# Altium PCB Salico Controller Module.PcbDoc (part 2 of 2)
Units mm, origin at the board's own origin, x right, y up, seen from the top; angles counter-clockwise.
Board outline 100 x 50 mm, 4 copper layers (L1, L2, L3, L4), stack 1.11 mm thick; 125 components, 95 nets, 398 pads, 661 vias.
Unrouted connection lines stored in the file: 176.
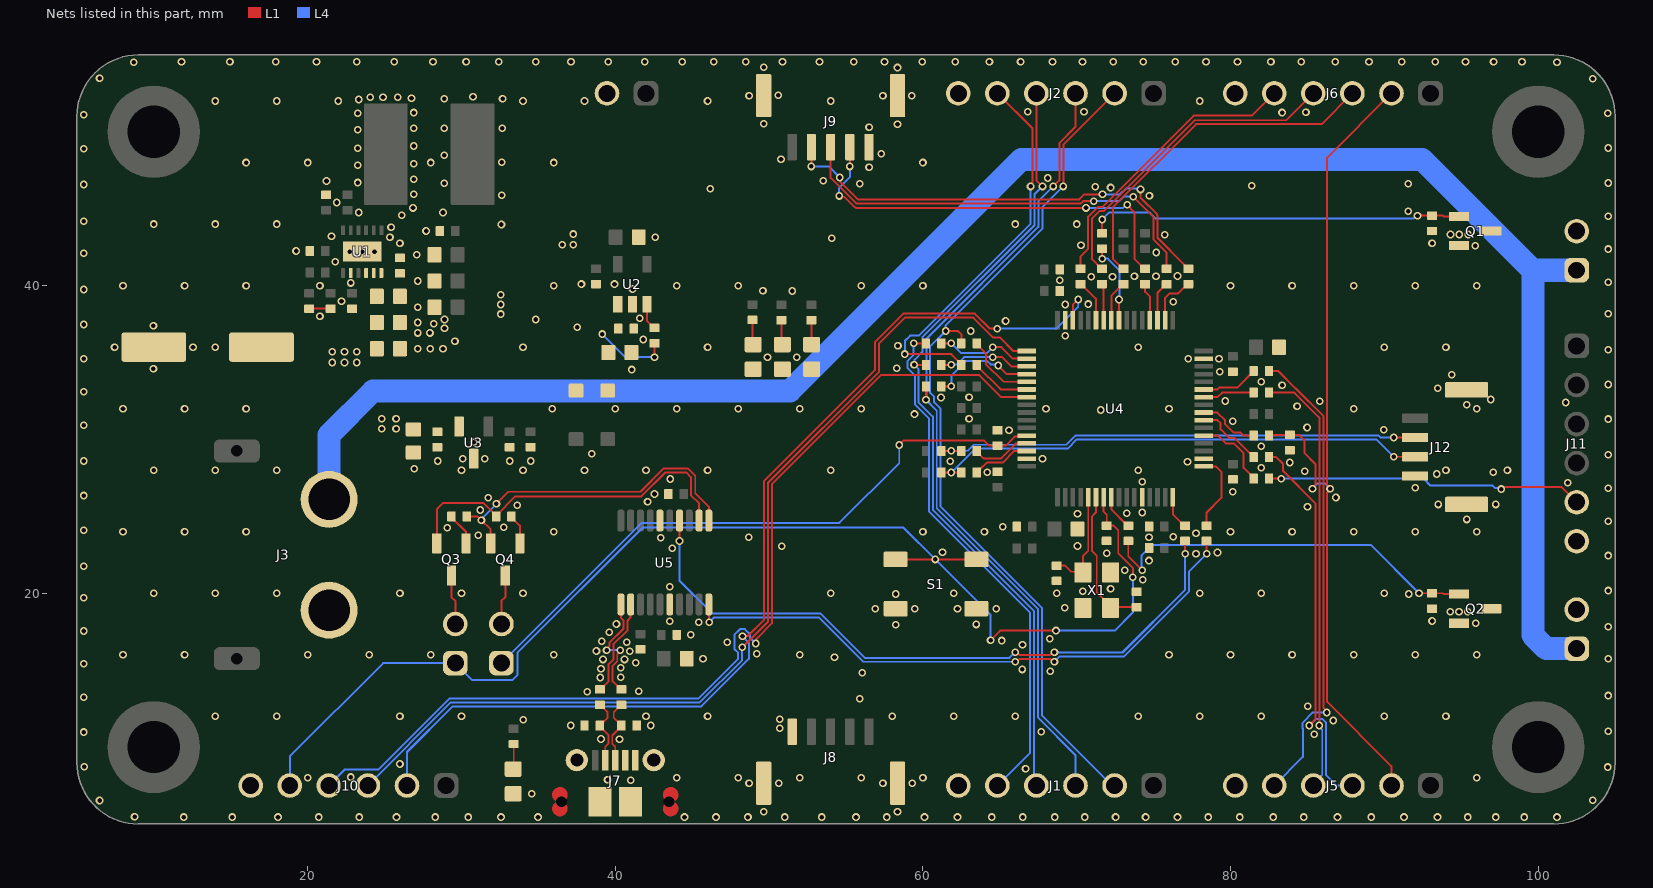
[diagram p4: the nets of this part, all layers, seen from the top]

## Via types
v1: diameter 0.5, hole 0.3, L1 to L4, tented both sides, 661 vias

## Nets (pads, with @x,y where several pads share a name; then routed paths per layer and width w, separated by ;. In a path a pad name is that pad's centre, name@x,y a point inside that pad or via, vN(x,y) a via of type N, cw(c..) or ccw(c..) an arc to the next point about the centre after c; other vN are vias at no path point) (continued)
DIN_R_A_HES_TO_MCU_3V3: J9.2 R35.2 | length 30.5
  L1 w0.127: v1(52.75,47.75) J9.2@52.75,49 ; v1(54.604,47.029) 54.656,46.976 54.656,46.712 55.764,45.604 70.172,45.604 70.499,45.931 v1(71.675,45.931) ; v1(74.146,46.254) 74.146,45.704 75.225,44.625 75.225,44.584 75.254,44.555 75.254,43.096 76.988,41.362 76.988,41.312 77.2,41.1 R35.2@77.25,41.1
  L4 w0.127: v1(52.75,47.75) 53.882,47.75 v1(54.604,47.029) ; v1(71.675,45.931) 72.813,45.931 73.208,46.326 74.074,46.326 v1(74.146,46.254)
DIN_R_A_HES_TO_MCU_3V3_R: R35.1 U4.34 | length 3.3
  L1 w0.127: U4.34@75.75,37.75 75.75,39.2 76.05,39.5 76.6,39.5 77.2,40.1 R35.1@77.25,40.1
DIN_R_B_HES_TO_MCU_3V3: J9.3 R36.2 | length 28.1
  L1 w0.127: J9.3@54,49 54,47.009 55.659,45.35 70.277,45.35 70.418,45.49 v1(71.1,45.49) ; v1(73.671,45.779) 75,44.45 75,42.991 75.85,42.141 R36.2@75.85,41.1
  L4 w0.127: v1(71.1,45.49) 72.765,45.49 73.054,45.779 v1(73.671,45.779)
DIN_R_B_HES_TO_MCU_3V3_R: R36.1 U4.35 | length 2.6
  L1 w0.127: U4.35@75.25,37.75 75.25,39.55 75.8,40.1 R36.1@75.85,40.1
DIN_R_C_HES_TO_MCU_3V3: J9.4 R39.2 | length 27.2
  L1 w0.127: v1(54.556,45.831) 54.608,45.778 54.872,45.778 55.554,45.096 55.604,45.096 55.65,45.05 v1(70.6,45.05) ; v1(55.25,47.75) J9.4@55.25,49 ; v1(73.275,45.25) 73.75,44.775 73.75,41.75 74.4,41.1 R39.2@74.45,41.1
  L4 w0.127: v1(54.556,45.831) 54.556,46.358 55.25,47.052 v1(55.25,47.75) ; v1(70.6,45.05) 73.01,45.05 73.21,45.25 v1(73.275,45.25)
DIN_R_C_HES_TO_MCU_3V3_R: R39.1 U4.36 | length 2.5
  L1 w0.127: R39.1@74.45,40.1 74.45,39.6 74.75,39.3 U4.36@74.75,37.75
DIN_STATE_BTN_TO_MCU_3V3: J11.5 R46.2 | length 20.8
  L1 w0.127: R46.2@82.5,27.45 v1(83.3,27.45) ; v1(97.6,26.773) 97.701,26.773 97.849,26.921 101.499,26.921 J11.5@102.5,25.92
  L4 w0.127: v1(83.3,27.45) 92.545,27.45 92.999,26.996 97.029,26.996 97.181,26.844 97.529,26.844 v1(97.6,26.773)
DIN_STATE_BTN_TO_MCU_3V3_R: R46.1 U4.21 | length 5
  L1 w0.127: U4.21@78.25,30.25 79.2,30.25 79.7,29.75 80.2,29.75 80.85,29.1 80.85,28.15 81.5,27.5 R46.1@81.5,27.45
GND: C1.2 C2.1 C3.1 C4.1 C5.1 C7.1 C8.1 C9.1 C10.1 C12.1 C13.1 C14.1 C15.1 C16.1 C17.1 C18.1 C19.1 C20.1 C21.1 C22.1 C23.1 C24.1 C25.1 C26.1 C27.1 C28.1 C29.1 C30.1 C31.1 C32.1 C33.1 C34.1 C35.1 C36.1 C37.1 C38.1 D1.2 D4.2 D5.2 D6.2 J1.6 J2.6 J3.2 J4.2 J5.6 J6.6 J7.4 J7.5 J7.6 J7.7 J7.8 J7.9 J7.10 J7.11 J8.5 J8.6 J8.7 J9.5 J9.6 J9.7 J10.6 J11.6 J12.4 J12.5 J12.6 Q1.2 Q2.2 R5.1 R6.1 R15.1 R21.1 R25.1 R29.1 S1.1 S1.2 U1.8 U1.13 U2.2 U3.3 U4.12 U4.18 U4.31 U4.47 U4.63 U5.6 U5.16 X1.2 X1.4
  other v1: 11.95,5.45 15.1,5.45 18.075,5.45 20.725,5.45 23.35,5.45 25.775,5.45 28.3,5.45 30.45,5.45 32.575,5.45 34.975,5.45 44.5,5.45 46.55,5.45 48.625,5.45 51.025,5.45 53.425,5.45 55.65,5.45 57.65,5.45 60.1,5.45 62.25,5.45 64.475,5.45 66.5,5.45 68.575,5.45 70.525,5.45 72.525,5.45 74.475,5.45 76.55,5.45 78.55,5.45 80.6,5.45 82.775,5.45 84.75,5.45 86.95,5.45 89.15,5.45 91.275,5.45 93.45,5.45 95.425,5.45 97.25,5.45 99.1,5.45 101.225,5.45 8.75,5.475 49.65,5.8 58.35,5.8 6.475,6.525 103.55,6.55 34.575,6.975 48.7,7.65 50.625,7.65 57.4,7.65 59.3,7.65 41,7.85 39.5,7.875 20,8 44,8 48,8 52,8 56,8 60,8 96,8 22.8,8.05 66.675,8.6 104.525,8.7 5.475,8.725 26,8.9 40.275,10.5 39.075,10.525 85.45,10.825 5.45,10.975 67.7,11 104.55,11.025 50.7,11.225 37.1,11.4 42.3,11.4 86.675,11.725 34.025,11.775 50.7,11.8 14,12 18,12 26,12 30,12 42,12 46,12 58,12 62,12 66,12 74,12 78,12 82,12 90,12 94,12 85.025,12.65 55.9,13.15 5.45,13.25 104.55,13.35 38.175,13.6 41.525,13.625 39.025,14.525 40.35,14.55 56.05,14.825 68.275,14.925 66.45,15.05 39.075,15.1 40.35,15.15 5.45,15.425 41.325,15.475 39.2,15.7 40.6,15.7 45.7,15.75 104.55,15.75 54.25,15.85 8,16 12,16 20,16 24,16 28,16 36,16 52,16 76,16 80,16 84,16 88,16 92,16 96,16 49.2,16.075 40.95,16.225 38.775,16.25 66.475,16.65 40.75,16.825 47.275,16.825 39.125,16.875 65.125,16.925 68.25,17.05 44.9,17.3 39.6,17.475 5.45,17.55 104.55,17.825 58.225,17.95 63.475,17.975 40.075,18 95.95,18.05 45.425,18.125 43.55,18.175 93.1,18.2 94.275,18.8 94.85,18.8 95.425,18.8 56.9,19 59.475,19 62.25,19 64.775,19 69.225,19.05 5.45,19.7 58.225,19.95 91.575,19.95 10,20 14,20 18,20 26,20 30,20 34,20 54,20 62,20 68.7,20 78,20 82,20 90,20 70.4,20.125 104.55,20.175 72.2,20.3 43.55,20.425 74.3,20.875 73.125,21.5 5.45,21.75 74.7,22.125 104.55,22.45 77.75,22.575 71.95,22.6 79.15,22.65 61.275,22.675 43.7,22.925 50.825,23.05 70.05,23.075 42.95,23.6 48.675,23.65 74.7,23.65 76.275,23.675 31.1,23.775 77.75,23.9 8,24 12,24 16,24 36,24 60,24 64,24 80,24 84,24 88,24 92,24 96,24 5.45,24.1 29.075,24.25 32.75,24.3 65.2,24.325 104.55,24.675 95.35,24.8 70.05,25.175 73.25,25.2 74.25,25.25 31.231,25.409 85,25.625 33.625,25.725 93.5,25.775 97.25,25.775 42.1,25.95 31.75,26.2 86.85,26.225 5.45,26.35 42.55,26.45 80.15,26.6 104.55,26.825 92,26.85 101.925,27.175 74.25,27.25 43.575,27.425 93.4,27.75 64.175,27.875 97.075,27.875 84.825,27.925 10,28 14,28 18,28 30,28 34,28 38,28 42,28 46,28 54,28 74,28 94,28 98,28 26.925,28.1 82,28.15 83.85,28.5 77.2,28.55 61.775,28.575 5.45,28.6 28.45,28.6 33.15,28.6 34.5,28.6 30.075,28.75 31.525,28.75 67.775,28.75 104.55,29 38.475,29.075 82,29.55 30.8,29.825 65.6,30.6 89.95,30.625 24.825,30.7 84.975,30.775 5.45,30.925 80.15,31.175 104.55,31.325 24.825,31.35 63,31.35 59.45,31.65 71.555,31.911 8,32 12,32 16,32 35.9,32 40,32 44,32 48,32 52,32 56,32 68,32 76,32 88,32 96,32 84.325,32.15 95.35,32.25 101.8,32.4 85.8,32.475 79.65,32.5 96.925,32.6 61.175,32.725 63,32.75 5.45,33.1 93.475,33.325 83.35,33.525 104.55,33.575 82,33.75 94.375,34.2 79.3,34.4 41.064,34.542 9.975,34.6 58.3,34.625 5.45,35.25 77.25,35.25 79.25,35.25 49.9,35.35 51.8,35.35 104.55,35.825 27.15,35.9 27.975,35.9 28.8,35.9 7.45,36 12.55,36 14,36 34,36 46,36 74,36 90,36 94,36 58.375,36.1 29.575,36.375 41.825,36.5 69.25,36.75 27.15,36.925 27.95,36.925 63.1,37.05 28.9,37.225 37.525,37.3 9.975,37.4 5.45,37.475 28.2,37.525 27.15,37.6 65.375,37.7 28.9,37.8 34.825,37.8 41.6,37.875 20.8,38 32.55,38.15 104.55,38.175 27.15,38.6 32.55,38.775 69.25,38.775 70.75,38.8 76.275,38.95 22.2,38.975 32.55,39.4 51.5,39.65 49.6,39.675 5.45,39.75 41.125,39.775 8,40 12,40 16,40 20.8,40 36,40 44,40 48,40 56,40 60,40 80,40 84,40 88,40 92,40 96,40 37.8,40.1 39.95,40.1 22.8,40.175 104.55,40.225 27.15,40.3 68.9,40.35 70.95,40.575 72.325,40.575 73.75,40.6 75.15,40.6 76.55,40.625 21.8,41.55 27.1,42 5.45,42.1 75.175,42.15 22.75,42.21 23.55,42.21 24.35,42.21 19.25,42.25 104.55,42.375 95.9,42.6 70.275,42.625 36.55,42.65 37.275,42.65 26,42.75 93.1,42.75 54.075,43.075 25.35,43.15 42.6,43.15 21.55,43.2 75.725,43.3 94.3,43.325 94.875,43.325 95.45,43.325 37.275,43.35 27.7,43.55 25.425,43.8 32.6,43.975 10,44 14,44 18,44 66,44 70,44 5.45,44.175 104.55,44.5 26.125,44.575 23.325,44.75 28.8,44.75 91.55,44.825 26.85,45.05 21.9,45.4 74.725,45.85 32.625,45.875 26.9,45.95 46.175,46.3 72.2,46.375 71.2,46.425 81.381,46.501 5.45,46.575 55.9,46.625 91.55,46.625 28.875,46.65 104.55,46.675 23.25,46.7 21.225,46.8 53.525,46.825 26.9,46.925 68.125,47 56.5,47.7 23.25,47.825 26.9,47.925 16,48 20,48 28,48 36,48 60,48 32.625,48.025 50.775,48.225 28.875,48.475 57.3,48.575 5.45,48.9 23.25,48.925 104.55,48.95 26.9,49.075 23.25,50.125 26.9,50.225 28.875,50.225 32.65,50.225 56.5,50.3 58.35,50.5 49.65,50.525 5.45,51.1 23.25,51.2 104.525,51.2 26.9,51.25 83.35,51.25 84.9,51.275 66.825,51.3 70.475,51.3 14,52 18,52 22,52 34,52 38,52 46,52 54,52 78,52 23.325,52.1 28.875,52.15 32.675,52.15 26.75,52.175 24.075,52.25 24.9,52.25 25.85,52.25 30.75,52.275 48.7,52.35 57.4,52.35 59.275,52.35 50.6,52.375 103.55,53.45 6.475,53.475 58.35,54.175 49.65,54.2 8.7,54.525 101.225,54.525 11.8,54.55 14.95,54.55 17.925,54.55 20.575,54.55 23.2,54.55 25.625,54.55 28.15,54.55 30.3,54.55 32.425,54.55 34.825,54.55 37.125,54.55 39.55,54.55 41.925,54.55 44.35,54.55 46.4,54.55 48.475,54.55 50.875,54.55 53.275,54.55 55.5,54.55 57.5,54.55 59.95,54.55 62.1,54.55 64.325,54.55 66.35,54.55 68.425,54.55 70.375,54.55 72.375,54.55 74.325,54.55 76.4,54.55 78.4,54.55 80.45,54.55 82.625,54.55 84.6,54.55 86.8,54.55 89,54.55 91.125,54.55 93.3,54.55 95.275,54.55 97.1,54.55 98.95,54.55
GPIO_DRVEN_MCU_TO_DRV_3V3: J5.2 J6.2 R20.2 R21.2 | length 56
  L1 w0.127: R20.2@82.5,30.25 82.55,30.3 R21.2@83.85,30.3 84.45,30.3 84.8,29.95 84.8,29.125 85.521,28.404 85.521,27.061 85.325,26.865 v1(85.325,26.8) ; J5.2@90.46,7.5 90.46,8.765 86.283,12.942 86.283,26.539 86.469,26.726 86.469,26.874 86.283,27.061 86.283,48.323 J6.2@90.46,52.5
  L4 w0.127: v1(85.325,26.8) 85.65,27.125 86.144,27.125 v1(86.469,26.8)
GPIO_DRVEN_MCU_TO_DRV_3V3_R: R20.1 U4.24 | length 4
  L1 w0.127: U4.24@78.25,31.75 79.15,31.75 79.65,31.25 79.65,31 80.2,30.45 80.65,30.45 80.85,30.25 R20.1@81.5,30.25
GPIO_FANEN_MCU_TO_FAN_3V3: Q2.1 R29.2 R48.2 | length 25.5
  L1 w0.127: R48.2@73.35,23.4 73.35,22.416 v1(74.265,21.501) ; v1(92.25,20) R29.2@93.1,20 93.8,20 93.85,19.95 Q2.1@94.85,19.95
  L4 w0.127: v1(74.265,21.501) 74.2,21.566 74.2,22.425 74.925,23.15 89.1,23.15 v1(92.25,20)
GPIO_FANEN_MCU_TO_FAN_3V3_R: R48.1 U4.8 | length 2.3
  L1 w0.127: U4.8@72.25,26.25 72.25,25.45 73.3,24.4 R48.1@73.35,24.4
GPIO_SOLEN_MCU_TO_SOL_3V3: Q1.1 R15.2 R49.2 | length 24.5
  L1 w0.127: R49.2@71.65,43.4 v1(71.65,44.3) ; v1(92.15,44.55) R15.2@93.1,44.55 93.8,44.55 93.85,44.5 Q1.1@94.85,44.5
  L4 w0.127: v1(71.65,44.3) 72.09,44.74 74.76,44.74 75.15,44.35 91.889,44.35 92.089,44.55 v1(92.15,44.55)
GPIO_SOLEN_MCU_TO_SOL_3V3_R: R49.1 U4.40 | length 5.3
  L1 w0.127: v1(71.65,41.752) R49.1@71.65,42.4 ; U4.40@72.75,37.75 v1(72.75,39.1)
  L4 w0.127: v1(71.65,41.752) 72.023,41.752 72.765,41.01 72.765,39.115 v1(72.75,39.1)
I2C_SCL_MCU_TO_TOF_3V3: J12.2 R37.1 R40.2 | length 31.9
  L1 w0.127: R37.1@61.2,29.25 R40.2@62.5,29.25 ; v1(90.6,30.125) J12.2@92,30.125
  L4 w0.127: v1(61.838,29.266) 62.907,29.266 63.295,29.654 69.304,29.654 69.904,30.254 89.621,30.254 89.75,30.125 v1(90.6,30.125)
I2C_SCL_MCU_TO_TOF_3V3_R: R40.1 U4.61 | length 3.9
  L1 w0.127: R40.1@63.5,29.25 63.5,29.2 63.946,28.754 65.054,28.754 66.034,29.734 66.734,29.734 U4.61@66.75,29.75
I2C_SDA_MCU_BI_TOF_3V3: J12.3 R38.1 R41.2 | length 32.8
  L1 w0.127: R38.1@61.2,27.85 v1(61.85,27.85) R41.2@62.5,27.85 ; v1(90.6,28.875) J12.3@92,28.875
  L4 w0.127: v1(61.85,27.85) 63.4,29.4 69.409,29.4 70.009,30 89.475,30 v1(90.6,28.875)
I2C_SDA_MCU_BI_TOF_3V3_R: R41.1 U4.62 | length 3.9
  L1 w0.127: R41.1@63.5,27.85 63.5,27.9 63.712,28.112 63.762,28.112 64.15,28.5 65.2,28.5 65.95,29.25 U4.62@66.75,29.25
LDO_3V3_EN: R9.1 U2.3 | length 1.8
  L1 w0.127: U2.3@42.067,38.79 42.067,37.683 42.5,37.25 R9.1@42.55,37.25
LDO_3V3_IN: C12.2 C13.2 D2.2 D3.2 R9.2 U2.1 | length 4.9
  L1 w0.127: v1(42.55,35.35) R9.2@42.55,36.25
  L4 w0.127: v1(39.15,36.85) 40.65,35.35 v1(42.55,35.35)
MCU_BOOT0: J16.1 R25.2 U4.60 | length 41.3
  L1 w0.127: v1(58.461,29.639) 58.769,29.946 63.954,29.946 64.3,29.6 R25.2@64.85,29.6 65.381,29.6 65.959,30.179 66.679,30.179 U4.60@66.75,30.25
  L4 w0.127: J16.1@32.6,15.46 41.715,24.575 54.575,24.575 58.461,28.461 v1(58.461,29.639)
MCU_BOOT0_AP: J16.2 Q4.3 | length 3.3
  L1 w0.127: J16.2@32.6,18 32.6,19.5 32.85,19.75 Q4.3@32.85,21.15
MCU_NRST: C34.2 J10.5 J15.1 S1.3 S1.4 U4.7 | length 83.2
  L1 w0.127: S1.4@58.225,22.2 v1(60.8,22.2) S1.3@63.475,22.2 ; v1(64.4,16.95) 65.025,17.575 v1(68.65,17.575) ; U4.7@71.75,26.25 71.75,25.3 71.95,25.1 C34.2@71.95,24.4 72.4,24.4 72.7,24.1 72.7,22.6 73.65,21.65 v1(73.65,21.05)
  L4 w0.127: J10.5@18.84,7.5 18.84,9.39 24.91,15.46 J15.1@29.6,15.46 30.71,14.35 33.3,14.35 33.65,14.7 33.65,16.151 41.774,24.275 58.725,24.275 v1(60.8,22.2) 64.4,18.6 v1(64.4,16.95) ; v1(68.65,17.575) 72.475,17.575 73.65,18.75 v1(73.65,21.05)
MCU_NRST_AP: J15.2 Q3.3 | length 3.3
  L1 w0.127: Q3.3@29.35,21.15 29.35,19.75 29.6,19.5 J15.2@29.6,18
NetC11_2: C11.2 R4.1 | length 1.4
  L1 w0.127: R4.1@20.1,38.5 C11.2@21.5,38.5
NetC37_2: C37.2 U4.5 X1.3 | length 6.9
  L1 w0.127: C37.2@68.7,21.8 69.25,21.8 69.65,21.4 70.35,21.4 X1.3@70.4,21.35 70.4,21.4 70.4,22.4 70.75,22.75 U4.5@70.75,26.25
NetC38_2: C38.2 U4.6 X1.1 | length 9.5
  L1 w0.127: U4.6@71.25,26.25 71.25,25.25 71.004,25.004 71.004,22.746 71.3,22.45 71.3,20.05 71.713,19.637 71.713,19.537 X1.1@72.2,19.05 72.25,19.1 C38.2@73.9,19.1
NetD1_1: D1.1 R2.1 | length 1.6
  L1 w0.127: R2.1@50.8,37.75 50.8,36.232 D1.1@50.864,36.168
NetD4_1: D4.1 R7.1 | length 1.6
  L1 w0.127: R7.1@52.75,37.75 52.75,36.182 D4.1@52.764,36.168
NetD5_1: D5.1 R8.1 | length 1.6
  L1 w0.127: R8.1@48.914,37.768 48.914,36.218 D5.1@48.964,36.168
NetD6_1: D6.1 R17.1 | length 1.6
  L1 w0.127: D6.1@33.364,8.568 33.4,8.603 R17.1@33.4,10.2
NetJ13_2: J13.2 Q1.3
NetJ14_2: J14.2 Q2.3
NetQ3_2: Q3.2 R42.1 | length 2.1
  L1 w0.127: R42.1@29.35,24.95 30.284,24.016 30.284,23.266 Q3.2@30.3,23.25
NetQ4_2: Q4.2 R47.1 | length 2
  L1 w0.127: R47.1@33.25,25 33.25,24.95 33.8,24.4 Q4.2@33.8,23.25
PWM_L_INHA_MCU_TO_DRV_3V3: J5.3 R22.2 | length 25.9
  L1 w0.127: R22.2@82.5,28.85 82.966,28.85 83.41,28.406 83.41,27.963 85.521,25.852 85.521,11.796 v1(85.125,11.4)
  L4 w0.127: v1(85.125,11.4) 85.566,11.84 85.957,11.84 86.215,11.582 86.215,8.185 86.9,7.5 J5.3@87.92,7.5
PWM_L_INHA_MCU_TO_DRV_3V3_R: R22.1 U4.23 | length 4.5
  L1 w0.127: U4.23@78.25,31.25 79.15,31.25 79.35,31.05 79.35,30.65 79.9,30.1 80.25,30.1 R22.1@81.5,28.85
PWM_L_INHB_MCU_TO_DRV_3V3: J5.4 R23.2 | length 28.2
  L1 w0.127: R23.2@82.5,33.05 84.15,33.05 85.775,31.425 v1(85.775,11.4)
  L4 w0.127: J5.4@85.38,7.5 85.38,7.633 85.961,8.214 85.961,11.139 85.775,11.326 v1(85.775,11.4)
PWM_L_INHB_MCU_TO_DRV_3V3_R: R23.1 U4.26 | length 3.4
  L1 w0.127: U4.26@78.25,32.75 79.15,32.75 79.45,33.05 R23.1@81.5,33.05
PWM_L_INHC_MCU_TO_DRV_3V3: J5.5 R24.2 | length 30.8
  L1 w0.127: R24.2@82.5,34.45 83.1,34.45 84.246,33.304 84.255,33.304 86.029,31.53 86.029,12.572 86.25,12.351 v1(86.25,12.25)
  L4 w0.127: J5.5@82.84,7.5 84.7,9.36 84.7,11.202 84.685,11.218 84.685,11.582 85.352,12.25 v1(86.25,12.25)
PWM_L_INHC_MCU_TO_DRV_3V3_R: R24.1 U4.27 | length 3.7
  L1 w0.127: U4.27@78.25,33.25 79.15,33.25 79.275,33.375 80.425,33.375 R24.1@81.5,34.45
PWM_R_INHA_MCU_TO_DRV_3V3: J6.3 R26.2 | length 22.9
  L1 w0.127: R26.2@73.05,41.1 73,41.1 72.35,41.75 72.35,45.082 77.764,50.496 85.916,50.496 J6.3@87.92,52.5
PWM_R_INHA_MCU_TO_DRV_3V3_R: R26.1 U4.41 | length 2.7
  L1 w0.127: U4.41@72.25,37.75 72.25,39.35 73,40.1 R26.1@73.05,40.1
PWM_R_INHB_MCU_TO_DRV_3V3: J6.4 R27.2 | length 21.3
  L1 w0.127: R27.2@71.65,41.1 71.6,41.1 71,41.7 71,44.375 71.475,44.85 71.759,44.85 77.659,50.75 83.63,50.75 J6.4@85.38,52.5
PWM_R_INHB_MCU_TO_DRV_3V3_R: R27.1 U4.42 | length 2.4
  L1 w0.127: R27.1@71.65,40.1 71.75,40 U4.42@71.75,37.75
PWM_R_INHC_MCU_TO_DRV_3V3: J6.5 R30.2 | length 19
  L1 w0.127: R30.2@70.25,41.1 70.25,41.9 70.746,42.396 70.746,44.48 71.37,45.104 71.654,45.104 77.6,51.05 81.39,51.05 J6.5@82.84,52.5
PWM_R_INHC_MCU_TO_DRV_3V3_R: R30.1 U4.43 | length 2.8
  L1 w0.127: R30.1@70.25,40.1 70.3,40.1 71.25,39.15 U4.43@71.25,37.75
SPI_L_CS_MCU_TO_DRV_3V3_L: J1.5 R18.2 | length 33.9
  L1 w0.127: v1(59.4,36.25) R18.2@60.2,36.25
  L4 w0.127: v1(59.4,36.25) 59.4,35.502 58.984,35.087 58.984,34.668 59.471,34.181 59.471,32.295 60.392,31.374 60.392,25.324 66.975,18.741 66.975,9.635 J1.5@64.84,7.5
SPI_L_CS_MCU_TO_DRV_3V3_L_R: R18.1 U4.50 | length 6.3
  L1 w0.127: R18.1@61.2,36.25 v1(61.848,36.25) ; v1(64.55,36) 65.1,36 65.85,35.25 U4.50@66.75,35.25
  L4 w0.127: v1(61.848,36.25) 62.473,35.625 64.175,35.625 v1(64.55,36)
SPI_MISO_MCU_TO_DRV_3V3: J1.3 J2.3 R14.2 | length 53.9
  L1 w0.127: v1(60.2,32.575) R14.2@60.2,33.45 ; v1(68.475,46.45) 68.871,46.846 68.871,49.27 69.92,50.319 J2.3@69.92,52.5
  L4 w0.127: v1(68.475,46.45) 67.508,45.483 67.508,43.817 60.221,36.53 60.221,32.596 v1(60.2,32.575) 60.9,31.875 60.9,25.534 67.483,18.951 67.483,11.917 69.92,9.48 J1.3@69.92,7.5
SPI_MISO_MCU_TO_DRV_3V3_R: R14.1 U4.52 | length 7
  L1 w0.127: R14.1@61.2,33.45 v1(61.848,33.45) ; v1@64.9,34.8 65.45,34.25 U4.52@66.75,34.25
  L4 w0.127: v1(61.848,33.45) 61.848,34.148 62.796,35.096 64.181,35.096 64.396,34.881 64.829,34.881 v1(64.9,34.81)
SPI_MOSI_MCU_TO_DRV_3V3: J1.2 J2.2 R13.2 | length 56.7
  L1 w0.127: v1(61.475,37.05) 62.275,37.05 62.5,36.825 R13.2@62.5,36.25 ; v1(69.125,46.45) 69.125,49.165 J2.2@72.46,52.5
  L4 w0.127: v1(69.125,46.45) 67.762,45.087 67.762,43.712 61.475,37.425 v1(61.475,37.05) 60.475,36.05 60.475,33.025 60.725,32.775 60.725,32.409 61.154,31.98 61.154,25.639 67.737,19.056 67.737,12.063 72.3,7.5 J1.2@72.46,7.5
SPI_MOSI_MCU_TO_DRV_3V3_R: R13.1 U4.53 | length 4.7
  L1 w0.127: R13.1@63.5,36.25 63.5,36.2 64.1,35.6 64.1,34.9 65.25,33.75 U4.53@66.75,33.75
SPI_R_CS_MCU_TO_DRV_3V3_L: J2.5 R19.2 | length 25.7
  L1 w0.127: v1(58.825,35.55) 61.85,35.55 62.5,34.9 R19.2@62.5,34.85 ; J2.5@64.84,52.5 67.126,50.214 67.126,46.677 67,46.551 v1(67,46.45)
  L4 w0.127: v1(58.825,35.55) 58.825,36.4 59.175,36.75 59.722,36.75 67,44.028 v1(67,46.45)
SPI_R_CS_MCU_TO_DRV_3V3_L_R: R19.1 U4.54 | length 3.9
  L1 w0.127: R19.1@63.5,34.85 63.5,34.8 65.05,33.25 U4.54@66.75,33.25
SPI_SCLK_MCU_TO_DRV_3V3: J1.4 J2.4 R16.2 | length 52.7
  L1 w0.127: v1(59.425,34.85) R16.2@60.2,34.85 ; J2.4@67.38,52.5 67.38,46.845 v1(67.775,46.45)
  L4 w0.127: J1.4@67.38,7.5 67.229,7.651 67.229,18.846 60.646,25.429 60.646,31.479 59.725,32.4 59.725,34.55 v1(59.425,34.85) 59.459,34.884 59.459,35.184 59.967,35.692 59.967,36.635 67.254,43.922 67.254,45.929 v1(67.775,46.45)
SPI_SCLK_MCU_TO_DRV_3V3_R: R16.1 U4.51 | length 6
  L1 w0.127: R16.1@61.2,34.85 v1(61.848,34.85) ; v1(64.55,35.35) 65.15,35.35 65.75,34.75 U4.51@66.75,34.75
  L4 w0.127: v1(61.848,34.85) 61.869,34.871 62.196,34.871 62.675,35.35 v1(64.55,35.35)
SWCLK_DBG_TO_MCU_3V3: J10.3 U4.49 | length 63.2
  L1 w0.127: v1@48.25,16.475 49.929,18.154 49.929,27.195 57.15,34.416 57.15,36.241 58.834,37.925 63.277,37.925 64.584,36.617 65.016,36.617 65.883,35.75 U4.49@66.75,35.75
  L4 w0.127: J10.3@23.92,7.5 29.32,12.9 45.491,12.9 48.25,15.659 v1(48.25,16.5)
SWDIO_DBG_TO_MCU_3V3: J10.2 U4.46 | length 68.4
  L1 w0.127: v1(48.275,17.2) 48.297,17.222 48.622,17.222 49.675,18.275 49.675,27.3 56.896,34.521 56.896,36.346 58.729,38.179 63.382,38.179 64.361,37.2 v1(64.825,37.2) ; U4.46@69.75,37.75 69.75,38.75 v1(70.1,39.1)
  L4 w0.127: J10.2@26.46,7.5 26.46,9.681 29.425,12.646 45.596,12.646 48.69,15.74 48.69,16.785 v1(48.275,17.2) ; v1(64.825,37.2) 68.675,37.2 70.1,38.625 v1(70.1,39.1)
SWO_DBG_TO_MCU_3V3: J10.4 U4.55 | length 64.6
  L1 w0.127: v1(49.131,16.733) 49.184,16.786 49.184,17.049 50.183,18.049 50.183,27.09 57.268,34.175 63.675,34.175 65.1,32.75 U4.55@66.75,32.75
  L4 w0.127: J10.4@21.38,7.5 22.43,8.55 24.611,8.55 29.215,13.154 45.386,13.154 47.989,15.757 47.989,16.139 47.75,16.377 47.75,17.316 48.109,17.675 48.423,17.675 48.759,17.339 48.759,17.105 v1(49.131,16.733)
UART_DTR: Q4.1 R42.2 U5.1 | length 21.6
  L1 w0.127: R42.2@30.35,25 31.039,25 31.289,24.75 v1(31.3,24.75) 31.9,24.15 Q4.1@31.9,23.25 ; v1(32.275,25.825) 33.05,26.6 41.641,26.6 43.16,28.119 44.713,28.119 45.2,27.632 45.2,26.5 46.082,25.618 U5.1@46.082,24.725
  L4 w0.127: v1(31.3,24.75) 31.3,24.8 32.275,25.775 v1(32.275,25.825)
UART_RTS: Q3.1 R47.2 U5.2 | length 23.6
  L1 w0.127: Q3.1@28.4,23.25 28.4,25.45 28.825,25.875 31.425,25.875 R47.2@32.25,25.05 ; R47.2@32.25,25 R47.2@32.25,25.05 ; U5.2@45.447,24.725 45.447,25.853 44.915,26.385 44.915,27.557 44.607,27.865 43.265,27.865 41.696,26.296 33.496,26.296 R47.2@32.25,25.05
UART_RX_MCU_TO_USB_3V3: R12.2 U5.20 | length 39.5
  L1 w0.127: U5.20@46.082,19.275 46.091,19.266 46.091,18.134 v1(46.1,18.125) ; v1(66.002,15.547) 66.086,15.547 66.263,15.725 68.289,15.725 68.466,15.548 v1(68.55,15.548) ; v1(78.45,22.575) R12.2@78.45,23.4
  L4 w0.127: v1(46.1,18.125) 46.396,18.421 53.254,18.421 56.128,15.547 v1(66.002,15.547) ; v1(68.55,15.548) 68.898,15.896 73.08,15.896 77.304,20.12 77.304,21.429 v1(78.45,22.575)
UART_RX_MCU_TO_USB_3V3_R: R12.1 U4.17 | length 5.2
  L1 w0.127: U4.17@78.25,28.25 79.05,28.25 79.4,27.9 79.4,26.2 78.45,25.25 R12.1@78.45,24.4
UART_TX_MCU_TO_USB_3V3: R10.2 U5.4 | length 44
  L1 w0.127: v1(44.175,23.4) v1(44.175,23.4) 44.176,24.724 U5.4@44.177,24.725 ; v1(66,16.175) 66.101,16.175 66.297,15.979 68.253,15.979 68.449,16.175 v1(68.55,16.175) ; v1(77.05,22.575) R10.2@77.05,23.4
  L4 w0.127: v1(44.175,23.4) 44.175,20.825 46.325,18.675 53.359,18.675 56.233,15.801 65.626,15.801 v1(66,16.175) ; v1(68.55,16.175) 68.575,16.15 72.975,16.15 77.05,20.225 v1(77.05,22.575)
UART_TX_MCU_TO_USB_3V3_R: R10.1 U4.16 | length 2.2
  L1 w0.127: U4.16@76.25,26.25 76.25,25.15 77,24.4 R10.1@77.05,24.4
USB_D_N: C35.2 J7.2 R28.1 | length 4.3
  L1 w0.127: C35.2@39,11.35 39.55,10.8 39.55,10.225 39.35,10.025 J7.2@39.35,9.15 ; C35.2@39,11.4 39.5,11.9 39.5,12.25 R28.1@39,12.75
USB_D_N_R: R28.2 U5.12 | length 6.4
  L1 w0.127: R28.2@39,13.75 39.05,13.75 39.571,14.271 39.571,15.388 39.875,15.692 39.875,16.675 40.804,17.604 40.804,18.229 41.002,18.427 U5.12@41.002,19.275
USB_D_P: C36.2 J7.3 R31.1 | length 4.3
  L1 w0.127: J7.3@40,9.15 40,10.025 39.804,10.221 39.804,10.754 40.4,11.35 C36.2@40.4,11.4 39.9,11.9 39.9,12.25 R31.1@40.4,12.75
USB_D_P_R: R31.2 U5.11 | length 7.4
  L1 w0.127: v1(39.435,16.3) 39.435,16.374 39.621,16.561 39.621,16.78 40.55,17.709 40.55,18.225 40.367,18.408 U5.11@40.367,19.275 ; v1(40.315,16.3) 40.315,16.226 40.129,16.039 40.129,15.587 39.825,15.283 39.825,14.275 40.35,13.75 R31.2@40.4,13.75
  L4 w0.127: v1(39.435,16.3) v1(40.315,16.3)
VBUS: C1.1 C2.2 C3.2 C4.2 C5.2 C16.2 C17.2 J3.1 J13.1 J14.1 R1.2 U1.10 U1.11 U1.12 U3.2 | length 122.6
  L4 w1.5: J3.1@21.4,26.1 21.4,30.3 24.25,33.15 51.35,33.15 66.4,48.2 92.45,48.2 99.65,41 ; J14.1@102.5,16.4 100.529,16.4 99.65,17.279 99.65,41 ; J13.1@102.5,41 99.65,41
  other v1: 25.75,30.7 25.75,31.35 21.6,35 22.4,35 23.2,35 21.6,35.7 22.4,35.7 23.2,35.7
pads on no net: J3.MH0 J3.MH1 MH1.1 MH2.1 MH3.1 MH4.1 U1.5 U2.4 U4.2 U4.3 U4.4 U4.9 U4.10 U4.11 U4.14 U4.15 U4.20 U4.22 U4.28 U4.29 U4.30 U4.33 U4.38 U4.44 U4.45 U4.59 U5.5 U5.7 U5.8 U5.9 U5.10 U5.17 U5.18 U5.19
copper on no net:
  other v1: 10,7.7 100,7.7 7.6,10.1 12.3,10.1 97.6,10.1 102.3,10.1 10,12.3 100,12.3 10,47.7 100,47.7 7.6,50.1 12.3,50.1 97.6,50.1 102.3,50.1 10,52.3 100,52.3

## Polygon pours and split planes (outlines as drawn)
GND on L1 "SS" (solid, pour order 17): 5,9 5,51 cw(c9,51) 9,55 101,55 cw(c101,51) 105,51 105,9 cw(c101,9) 101,5 9,5 cw(c9,9)
VBUS on L1 "VBUS_L01_P013" (solid, pour order 13): 30.15,30.2 30.15,31.5 29.75,31.9 25.5,31.9 25.3,31.7 25.3,30.4 25.5,30.2
VBUS on L1 "VBUS_L01_P000" (solid, pour order 0): 14.55,35.15 15.25,34.45 24.25,34.45 24.95,35.15 24.95,39.8 25.35,40.2 26.2,40.2 26.35,40.35 26.35,41.1 26.3,41.15 23.65,41.15 23.65,39.2 23.25,38.8 22.6,38.8 22.55,38.75 22.55,38.2 21.9,37.55 15.15,37.55 14.55,36.95
NetJ14_2 on L1 "NETJ14_2_L01_P010" (solid, pour order 10): 103.5,19.45 103.5,18.45 103,17.95 98.3,17.95 97.6,18.65 96.3,18.65 96.2,18.75 96.2,19.25 96.3,19.35 97.6,19.35 98.2,19.95 103,19.95
NetJ13_2 on L1 "NETJ13_2_L01_P009" (solid, pour order 9): 103.5,44 103.5,43 103,42.5 98.3,42.5 97.6,43.2 96.3,43.2 96.2,43.3 96.2,43.8 96.3,43.9 97.6,43.9 98.2,44.5 103,44.5
5V0_HES on L1 "5V0_HES_L01_P006" (solid, pour order 6): 31.45,30.2 35.25,30.2 35.65,30.6 35.65,31.55 35.25,31.95 31.9,31.95 31.45,31.5
3V3 on L1 "3V3_L01_P005" (solid, pour order 5): 40.475,40.825 38.075,40.825 37.8,41.1 37.8,43.5 38.1,43.8 40.3,43.8 40.475,43.625
LDO_3V3_IN on L1 "LDO_3V3_IN_L01_P004" (solid, pour order 4): 36.95,32.75 37,32.7 39.95,32.7 40,32.75 40,36.15 40.475,36.625 40.475,39.35 38.55,39.35 38,38.8 38,37.15 36.95,36.1
5V0 on L1 "5V0_L01_P002" (solid, pour order 2): 29.3,51.85 32.15,51.85 32.15,37.1 31.85,36.8 29.6,36.8 29.3,37.1 29.3,45.25
BUCK_5V0_SW on L1 "BUCK_5V0_SW_L01_P001" (solid, pour order 1): 26.5,45.25 26.25,45.25 24.95,43.95 24.95,43.25 23.65,43.25 23.65,45.4 23.45,45.6 22.3,45.6 22.25,45.65 22.25,46.125 22.325,46.2 23.45,46.2 23.65,46.4 23.65,51.85 26.5,51.85
GND on L3 "GND_L03_P019" (solid, pour order 19): 5,9 5,51 cw(c9,51) 9,55 101,55 cw(c101,51) 105,51 105,9 cw(c101,9) 101,5 9,5 cw(c9,9)
3V3 on L3 "3V3_L03_P016" (solid, pour order 16): 72.725,10.925 72.5,10.7 69.7,10.7 69.375,11.025 69.375,34.525 60.1,43.8 42.575,43.8 40.075,41.3 38.6,41.3 37.7,42.2 37.7,43.9 40.9,47.1 61.375,47.1 72.725,35.75
5V0 on L3 "5V0_L03_P015" (solid, pour order 15): 32.75,37.25 32.75,33.1 36.05,29.8 37.275,29.8 37.825,29.25 37.825,28.875 37.6,28.65 35.175,28.65 30.25,33.575 30.25,41 41,51.75 41,53.25 41.25,53.5 42.75,53.5 43,53.25 43,50.8 32.75,40.55
VBUS on L3 "VBUS_L03_P014" (solid, pour order 14): 20.25,23.75 25.25,23.75 26.5,25 26.5,35 25.25,36.25 20.25,36.25 19,35 19,25
GND on L2 "GND_L02_P018" (solid, pour order 18): 5,9 5,51 cw(c9,51) 9,55 101,55 cw(c101,51) 105,51 105,9 cw(c101,9) 101,5 9,5 cw(c9,9)
5V0 on L4 "5V0_L04_P021" (solid, pour order 21): 30.625,39.25 31.625,39.25 31.75,39.125 31.75,37.375 31.625,37.25 30.625,37.25 30.5,37.375 30.5,39.125
GND on L4 "GND_L04_P020" (solid, pour order 20): 5,9 5,51 cw(c9,51) 9,55 101,55 cw(c101,51) 105,51 105,9 cw(c101,9) 101,5 9,5 cw(c9,9)

## Silkscreen, mask and mechanical layers (free items; w line width, h text height)
Top Overlay:
  drawing of 27 lines, arcs and shapes, not listed
  text "R_SPI" at 78.012,51.396 h0.51 r90
  text "R_HES" at 60.212,51.315 h0.51 r90
  text "R_PWM" at 95.912,51.315 h0.51 r90
  text "RPi PWR" at 44.854,50.75 h0.51 r90
  text "GND" at 39.754,49.019 h0.51 r90
  text "5V0" at 42.254,49.019 h0.51 r90
  text "GND" at 62.554,49.019 h0.51 r90
  text "3V3" at 75.254,49.019 h0.51 r90
  text "GND" at 80.554,49.019 h0.51 r90
  text "3V3" at 93.254,49.019 h0.51 r90
  text "MOSI" at 72.754,48.68 h0.51 r90
  text "MISO" at 70.254,48.596 h0.51 r90
  text "R_CS" at 65.112,48.511 h0.51 r90
  text "SCLK" at 67.654,48.511 h0.51 r90
  text "R_INHC" at 83.112,47.58 h0.51 r90
  text "R_INHB" at 85.612,47.58 h0.51 r90
  text "R_INHA" at 88.212,47.58 h0.51 r90
  text "DRV_EN" at 90.712,47.495 h0.51 r90
  text "GND" at 51.754,46.019 h0.51 r90
  text "R_C" at 52.962,46.019 h0.51 r90
  text "R_B" at 54.212,46.019 h0.51 r90
  text "R_A" at 55.462,46.019 h0.51 r90
  text "SOL" at 101.819,45.446 h0.51
  text "5V0_HES" at 56.712,43.987 h0.51 r90
  text "GND" at 99.019,43.246 h0.51
  text "VBUS" at 98.511,40.746 h0.51
  text "ENC/BTN" at 100.407,38.246 h0.51
  text "3V3" at 99.019,35.746 h0.51
  text "TOF" at 93.623,34.646 h0.51
  text "CWDIR" at 98.088,33.246 h0.51
  text "5V0" at 51.104,31.519 h0.51 r90
  text "3V3" at 53.004,31.519 h0.51 r90
  text "3V3" at 89.019,31.146 h0.51
  text "CCWDIR" at 97.58,30.746 h0.51
  text "SCL" at 89.019,29.871 h0.51
  text "5V0_HES" at 49.212,29.487 h0.51 r90
  text "SDA" at 89.019,28.646 h0.51
  text "DRV" at 99.019,28.146 h0.51
  text "GND" at 89.019,27.446 h0.51
  text "STATE" at 98.003,25.646 h0.51
  text "GND" at 99.019,23.146 h0.51
  text "FAN" at 101.819,20.946 h0.51
  text "GND" at 98.919,18.746 h0.51
  text "VBUS" at 98.511,16.246 h0.51
  text "NRST" at 27.754,15.869 h0.51 r90
  text "BOOT0" at 34.954,15.615 h0.51 r90
  text "5V0_HES" at 51.712,12.627 h0.51 r90
  text "L_A" at 52.962,12.627 h0.51 r90
  text "L_B" at 54.212,12.627 h0.51 r90
  text "L_C" at 55.462,12.627 h0.51 r90
  text "GND" at 56.754,12.627 h0.51 r90
  text "GND" at 16.554,9.627 h0.51 r90
  text "NRST" at 19.154,9.627 h0.51 r90
  text "SWO" at 21.654,9.627 h0.51 r90
  text "SWCLK" at 24.254,9.627 h0.51 r90
  text "SWDIO" at 26.754,9.627 h0.51 r90
  text "3V3" at 29.254,9.627 h0.51 r90
  text "GND" at 62.554,9.627 h0.51 r90
  text "L_CS" at 65.112,9.627 h0.51 r90
  text "SCLK" at 67.654,9.627 h0.51 r90
  text "MISO" at 70.254,9.627 h0.51 r90
  text "MOSI" at 72.754,9.627 h0.51 r90
  text "3V3" at 75.254,9.627 h0.51 r90
  text "GND" at 80.554,9.627 h0.51 r90
  text "L_INHC" at 83.112,9.627 h0.51 r90
  text "L_INHB" at 85.612,9.627 h0.51 r90
  text "L_INHA" at 88.212,9.627 h0.51 r90
  text "DRV_EN" at 90.712,9.627 h0.51 r90
  text "3V3" at 93.254,9.627 h0.51 r90
  text "DBG" at 31.754,6.823 h0.51 r90
  text "L_SPI" at 78.012,6.396 h0.51 r90
  text "L_HES" at 60.212,6.315 h0.51 r90
  text "L_PWM" at 95.912,6.315 h0.51 r90
  text "mUSB" at 45.554,5.969 h0.51 r90
Bottom Overlay:
  drawing of 27 lines, arcs and shapes, not listed
  text "Salico Controller Module v1.0 / Kevin Li" at 92.5,41.436 h1.27
Mechanical 13:
  the board outline again, w0

## Text inside footprints (layer, text, board x,y; h text height)
J7: Mechanical 15 "PCB EDGE" at 32.8,4.9 h0.3